# Altium PCB 190816 Diff Pressure Sensors.PcbDoc
Units mil, origin at the board's own origin, x right, y up, seen from the top; angles counter-clockwise.
Board outline 4842.52 x 3750 mil, 4 copper layers (Top Layer, GND, PWR, Bottom Layer), stack 23.756 mil thick; 73 components, 48 nets, 367 pads, 163 vias.
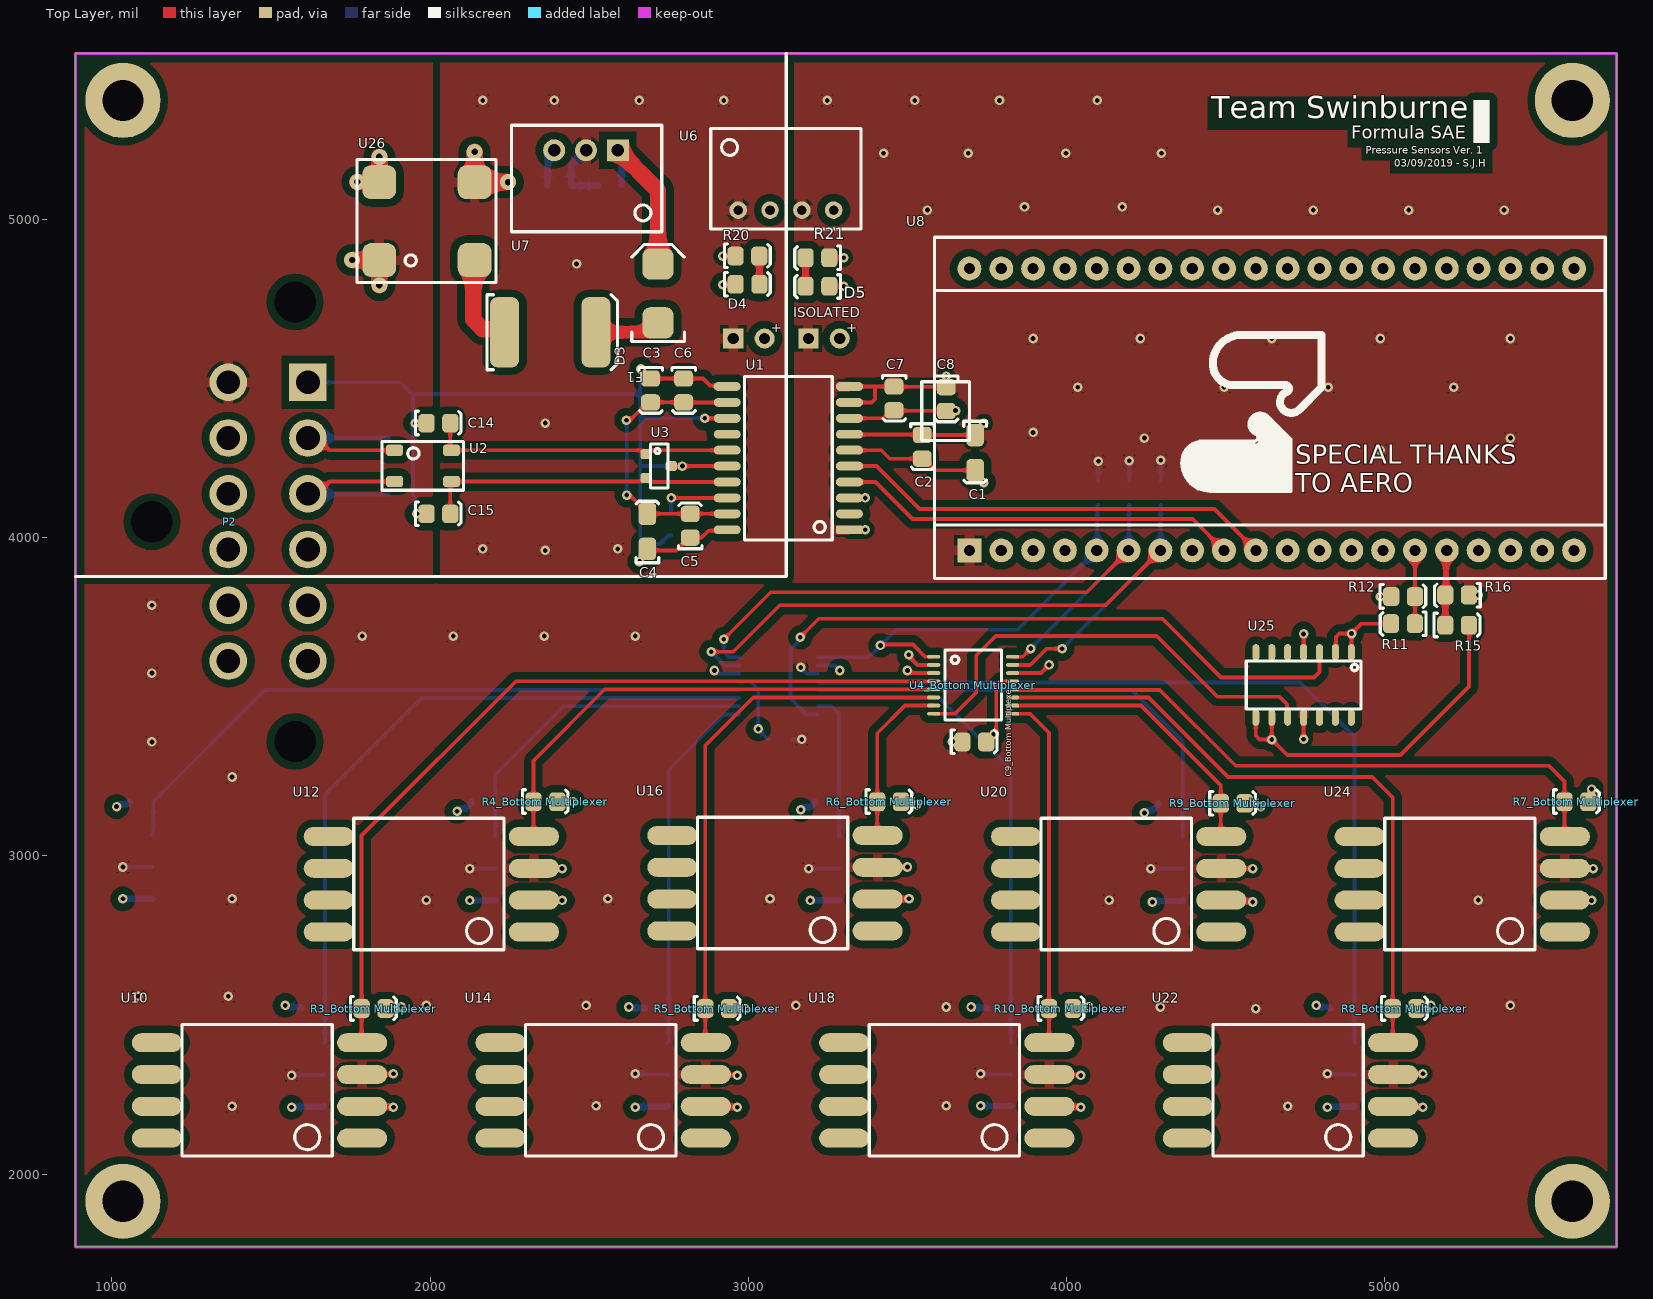
[diagram p0: Top Layer view]
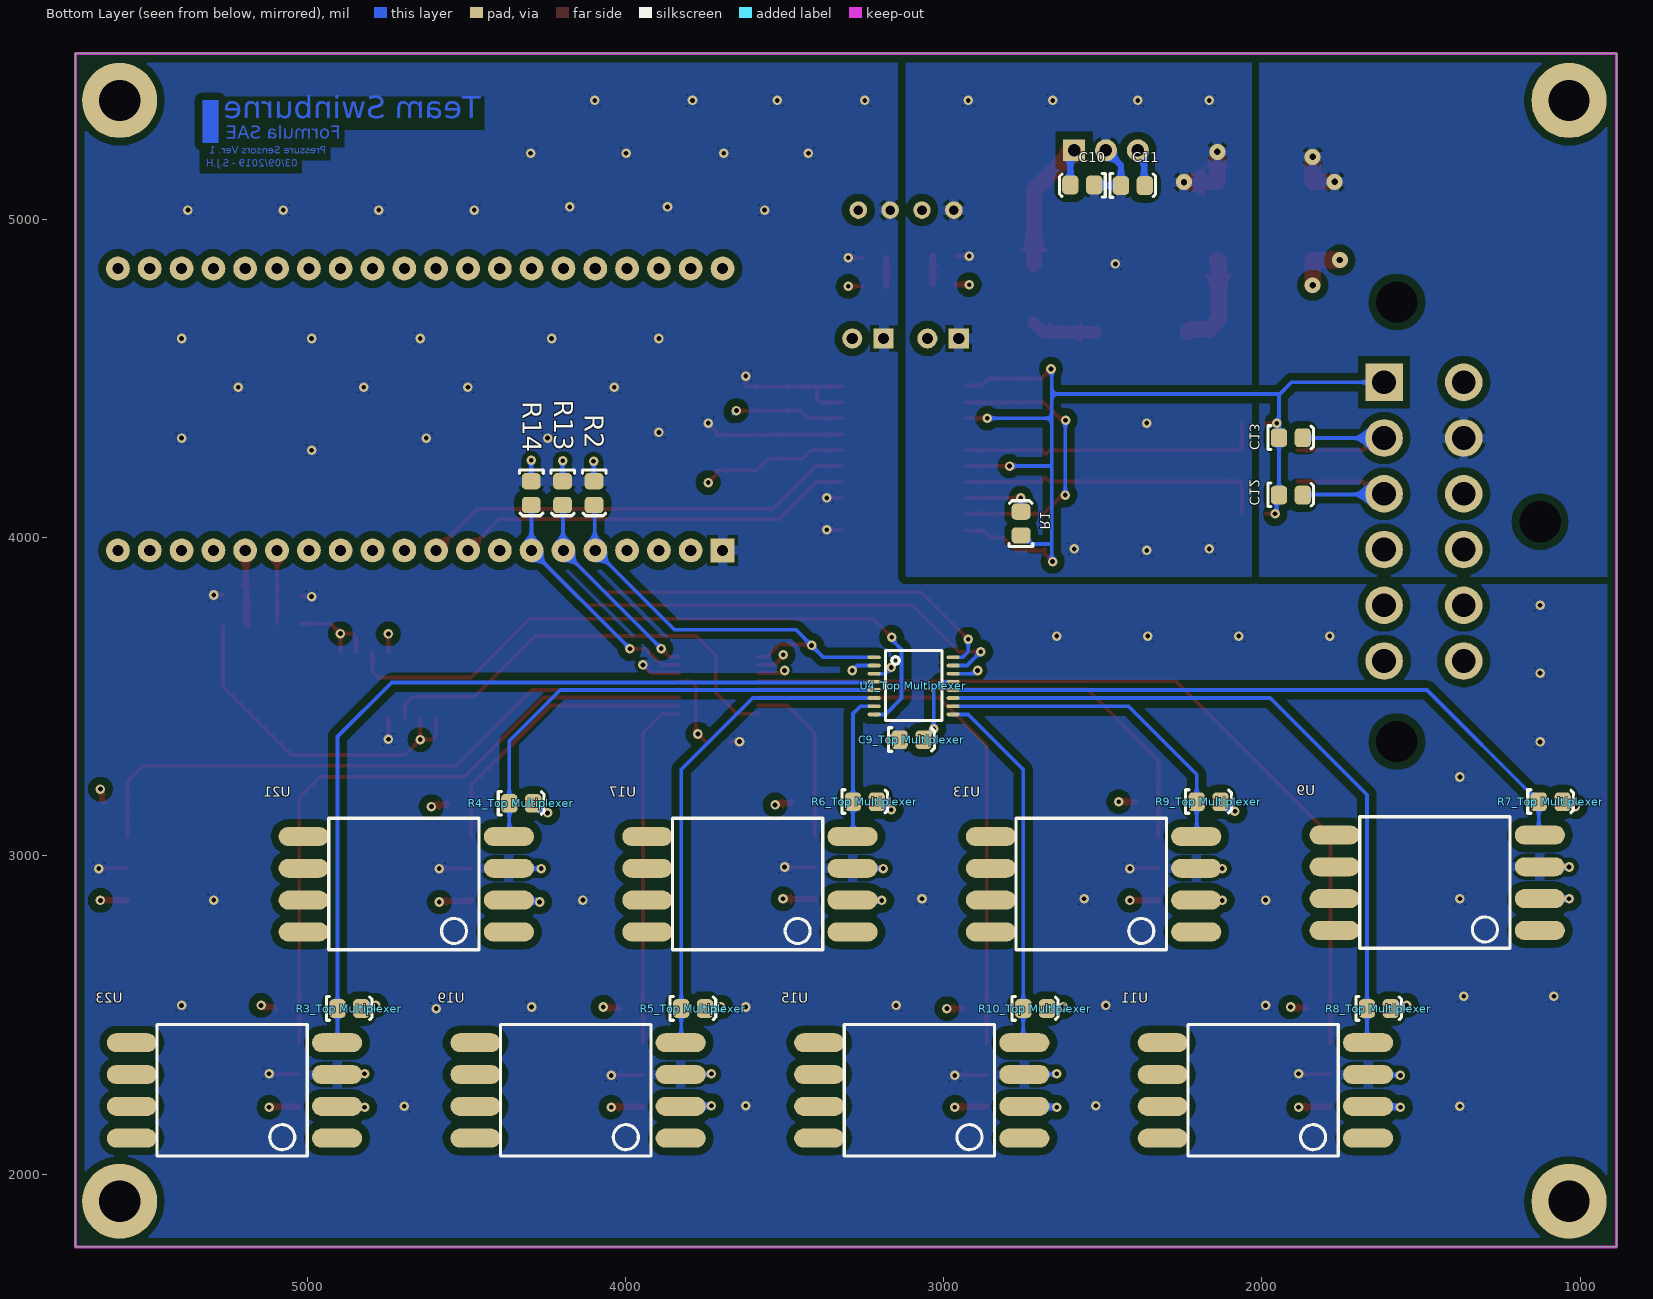
[diagram p1: Bottom Layer view, seen from below]
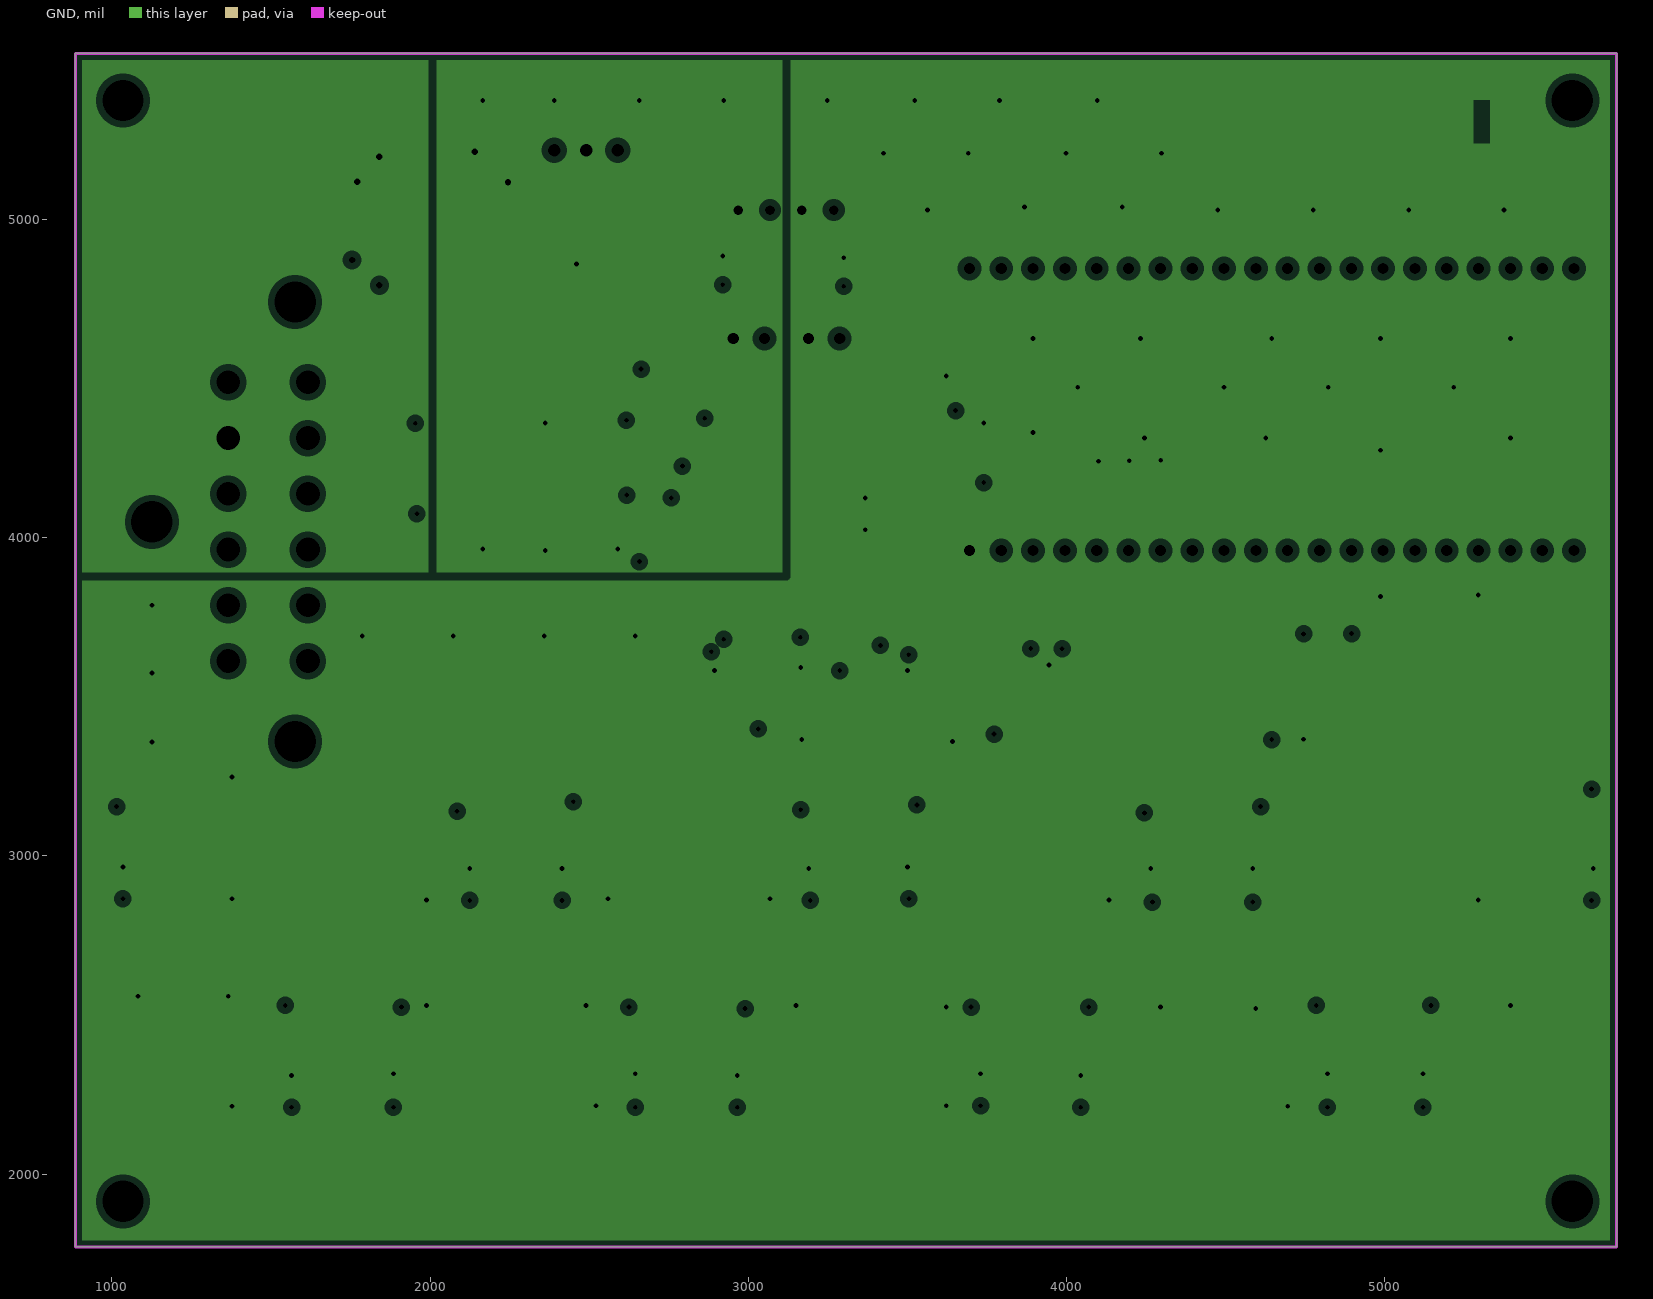
[diagram p2: GND, clearances drawn from the general rule]
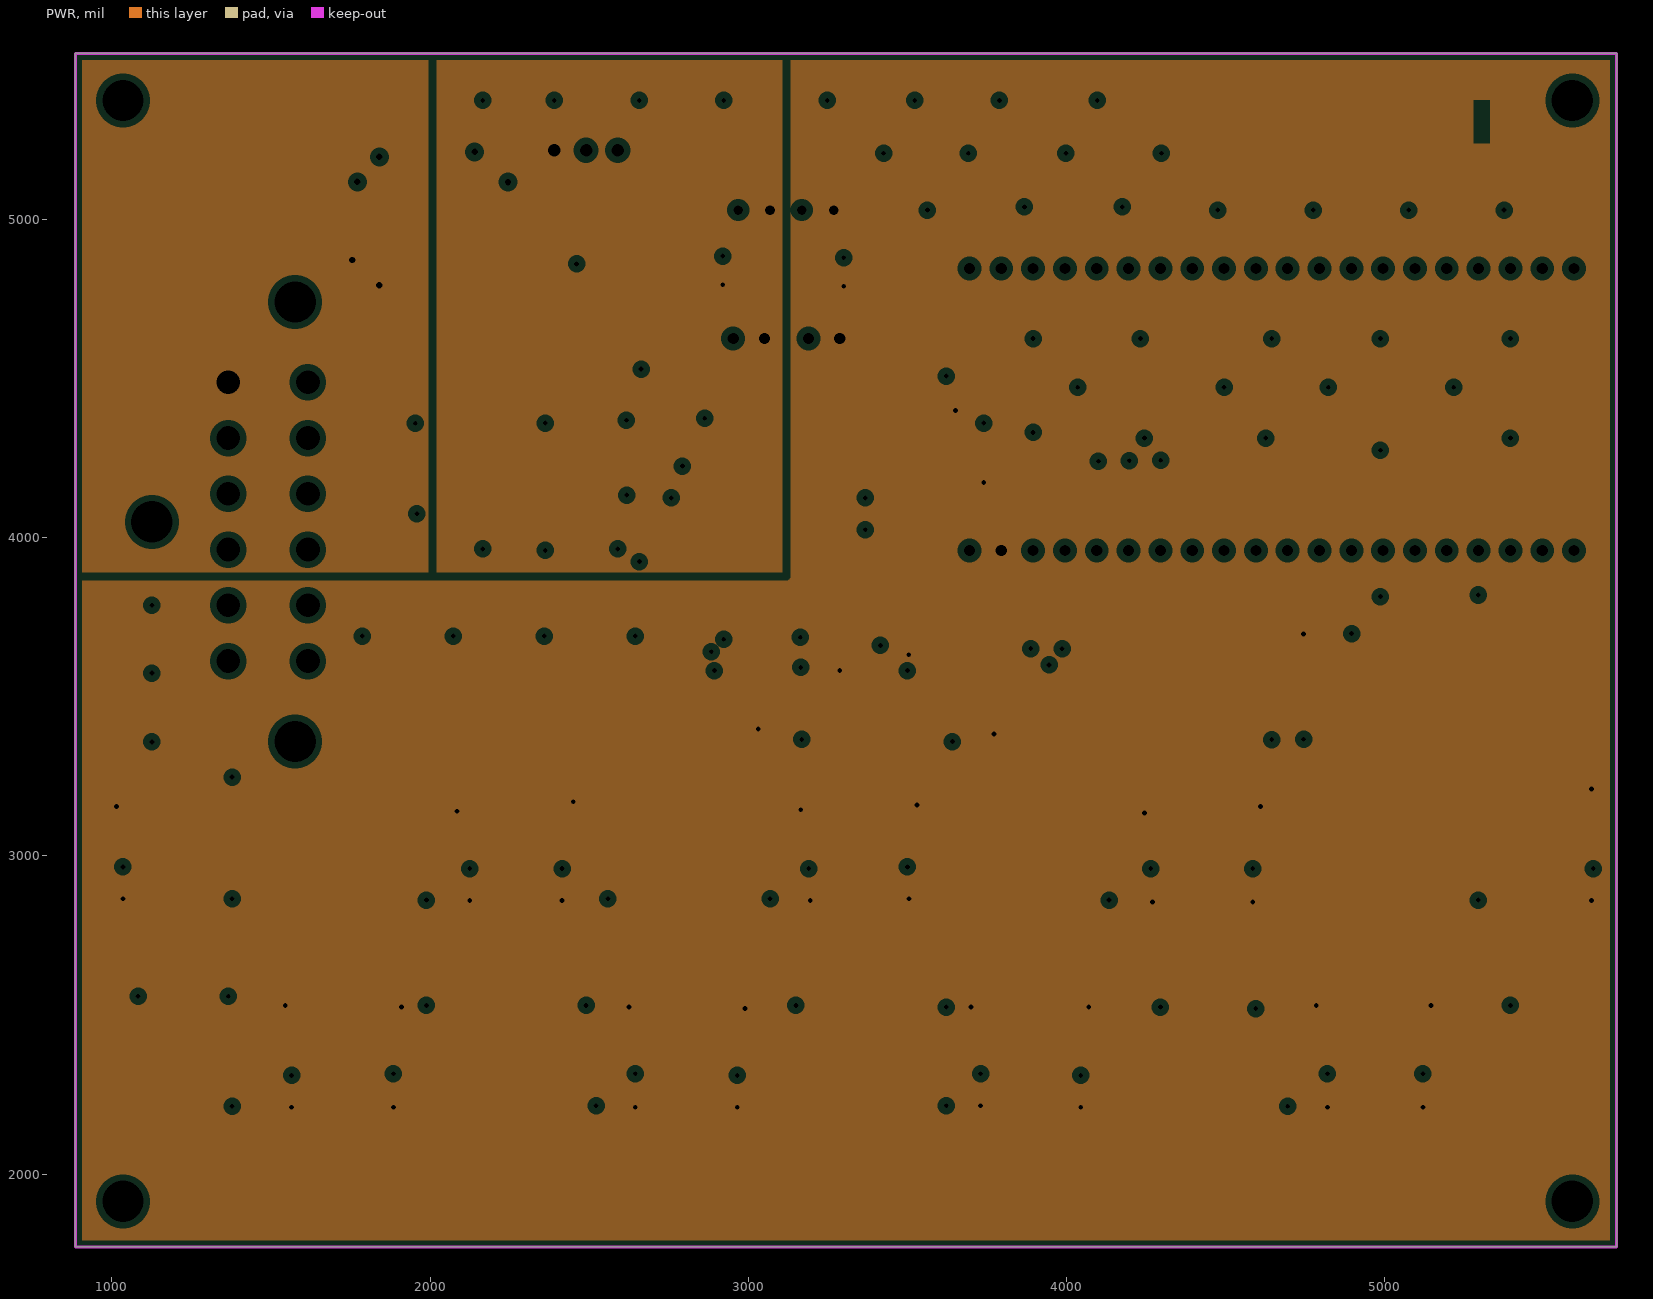
[diagram p3: PWR, clearances drawn from the general rule]

## Layer stack, top to bottom
Top Solder: solder mask 0.4, Solder Resist, Dk 3.5
Top Layer: signal copper 1.4
Dielectric 2: prepreg 2.8, PP-006, Dk 4.1
GND: plane copper 1.3778, net 0V (ISO)
Dielectric 1: dielectric 12.6, FR-4, Dk 4.8
PWR: plane copper 1.3778, net 5V (ISO)
Dielectric 3: prepreg 2.8, PP-006, Dk 4.1
Bottom Layer: signal copper 1.4
Bottom Solder: solder mask 0.4, Solder Resist, Dk 3.5

## Board outline
885.83,1771.65 885.83,5521.65 5728.35,5521.65 5728.35,1771.65

## Design rules (kind name [scope] priority, off if disabled: settings)
Clearance [All] p1: gap=11.81 ignorepadtopadclearanceinfootprint=FALSE except(0: Arc-Hole Track-Hole SMDPad-Hole THPad-Hole Via-Hole Fill-Hole Poly-Hole Region-Hole Text-Hole; 23.62: Arc-Poly Track-Poly SMDPad-Poly THPad-Poly Via-Poly Fill-Poly Poly-Poly)
Height [All] p1: minheight=0 maxheight=1968.5 prefheight=500
PlaneClearance [All] p1: clearance=20
PlaneConnect [All] p1: planeconnectstyle=Relief reliefexpansion=20 reliefentries=4 reliefconductorwidth=31.5 reliefairgap=10
PolygonConnect [All] p1: connectstyle=Relief reliefconductorwidth=31.5 reliefentries=4 polygonreliefangle="90 Angle" airgapwidth=10
RoutingVias [All] p1: holewidth=19.68 width=39.37 viastyle="Through Hole" minholewidth=11.81 minwidth=11.81 maxholewidth=28 maxwidth=50
SolderMaskExpansion [All] p1: expansion=4
Width [All] p1: maxlimit=118.11 minlimit=11.81 preferedwidth=11.81 minimp=50.000000 maximp=50.000000 favimp=50.000000
27 further rules are at their usual default settings.

## Classes and differential pairs
component class "Op Amp": R11 R12 R15 R16 U25
channel class "Multiplexer Bank": "Bottom Multiplexer" "Top Multiplexer"
component class U_Power: C10 C11 D3 D4 D5 F1 P1 R20 R21 U6 U7 U26
component class "Top Multiplexer": "C9_Top Multiplexer" "C9_U_Multiplexer Bank2" "R3_Top Multiplexer" "R4_Top Multiplexer" "R5_Top Multiplexer" "R6_Top Multiplexer" "R7_Top Multiplexer" "R8_Top Multiplexer" "R9_Top Multiplexer" "R10_Top Multiplexer" "U4_Top Multiplexer" "U4_U_Multiplexer Bank2"
component class "Bottom Multiplexer": "C9_Bottom Multiplexer" "C9_U_Multiplexer Bank1" "R3_Bottom Multiplexer" "R4_Bottom Multiplexer" "R5_Bottom Multiplexer" "R6_Bottom Multiplexer" "R7_Bottom Multiplexer" "R8_Bottom Multiplexer" "R9_Bottom Multiplexer" "R10_Bottom Multiplexer" "U4_Bottom Multiplexer" "U4_U_Multiplexer Bank1"
component class U_CAN: C1 C2 C3 C4 C5 C6 C7 C8 C12 C13 C14 C15 R1 U1 U2 U3
component class TopLevel: P2 R2 R13 R14 U8 U9 U10 U11 U12 U13 U14 U15 U16 U17 U18 U19 U20 U21 U22 U23 U24

## Components (designator, comment, footprint, x,y, rotation, side; value= is the part's Value field where it differs from the comment)
C1 "10nF" 1206 3712.91,4220.12 r270 top
C2 "100nF" 0805 3547.91,4285.12 r270 top
C3 "100nF" 0805 2693.94,4462.25 r270 top
C4 "10nF" 1206 2682.91,4067.24 r90 top
C5 "10uF" 0805 2816.88,4038.19 r90 top
C6 "100nF" 0805 2797.91,4462.25 r270 top
C7 "10uF" 0805 3458.94,4437.25 r270 top
C8 "100nF" 0805 3622.91,4435.12 r270 top
"C9_Bottom Multiplexer" "100nF" 0805 3710.63,3359.45 r0 top (schematic designator C9)
"C9_Top Multiplexer" "100nF" 0805 3100.39,3366.14 r180 bottom (schematic designator C9)
C10 "10uF" 0805 2565.16,5107.48 r0 bottom
C11 "22uF" 0805 2405.16,5107.48 r180 bottom
C12 "100pF" 0805 1908.58,4135 r180 bottom
C13 "100pF" 0805 1908.58,4315 r180 bottom
C14 "100pF" 0805 2026.65,4361.03 r0 top
C15 "100pF" 0805 2026.65,4076.03 r0 top
D3 "SD560BTR" "SMB Diode" 2716.54,4685.04 r90 top
D4 "LED" "0805 LED" 2998.03,4797.24 r0 top
D5 "LED" "0805 LED" 3216.93,4788.97 r180 top
F1 "0ZCF0200AF2C" 2920 2234.25,4645.67 r0 top
P2 "DT13-12P" DT13-12P 1366.16,4488.39 r270 top
R1 "0R" 0805 2757.91,4045.12 r90 bottom
R2 "10k" 0805 4097.87,4139.76 r270 bottom
"R3_Bottom Multiplexer" "10k" 0805 1822.87,2521.31 r0 top (schematic designator R3)
"R3_Top Multiplexer" "10k" 0805 4867.13,2521.31 r180 bottom (schematic designator R3)
"R4_Bottom Multiplexer" "10k" 0805 2362.87,3171.31 r0 top (schematic designator R4)
"R4_Top Multiplexer" "10k" 0805 4327.13,3166.31 r180 bottom (schematic designator R4)
"R5_Bottom Multiplexer" "10k" 0805 2902.87,2521.31 r0 top (schematic designator R5)
"R5_Top Multiplexer" "10k" 0805 3787.13,2521.31 r180 bottom (schematic designator R5)
"R6_Bottom Multiplexer" "10k" 0805 3442.87,3171.31 r0 top (schematic designator R6)
"R6_Top Multiplexer" "10k" 0805 3247.13,3171.31 r180 bottom (schematic designator R6)
"R7_Bottom Multiplexer" "10k" 0805 5602.87,3171.31 r0 top (schematic designator R7)
"R7_Top Multiplexer" "10k" 0805 1092.13,3171.31 r180 bottom (schematic designator R7)
"R8_Bottom Multiplexer" "10k" 0805 5062.87,2521.31 r0 top (schematic designator R8)
"R8_Top Multiplexer" "10k" 0805 1632.13,2521.31 r180 bottom (schematic designator R8)
"R9_Bottom Multiplexer" "10k" 0805 4522.87,3166.31 r0 top (schematic designator R9)
"R9_Top Multiplexer" "10k" 0805 2167.13,3171.31 r180 bottom (schematic designator R9)
"R10_Bottom Multiplexer" "10k" 0805 3983.07,2521.31 r0 top (schematic designator R10)
"R10_Top Multiplexer" "10k" 0805 2712.13,2521.31 r180 bottom (schematic designator R10)
R11 "430R" 0805 5056.93,3728.97 r180 top
R12 "2k" 0805 5058.07,3816.03 r0 top
R13 "10k" 0805 4196.85,4139.76 r270 bottom
R14 "10k" 0805 4295.28,4139.76 r270 bottom
R15 "430R" 0805 5228.07,3726.03 r0 top
R16 "2k" 0805 5227.13,3818.97 r180 top
R20 "1.5k" 0805 2997.87,4886.03 r0 top
R21 "1.5k" 0805 3216.93,4878.97 r180 top
U1 "ADM3053" "AD SOIC-W 20" 3125.89,4250.12 r90 top
U2 "B82787C0104H002" "TDK 4-PC Pad" 1888.58,4275 r0 top
U3 "NUP2105L" "ON SOT-23" 2718.54,4225.12 r270 top
"U4_Bottom Multiplexer" "ADG709" "AD 16-TSSOP" 3578.74,3627.95 r270 top (schematic designator U4)
"U4_Top Multiplexer" "ADG709" "AD 16-TSSOP" 3222.44,3625.98 r270 bottom (schematic designator U4)
U6 "RI-0505S" "RECOM 4-SIP" 3118.31,5029.53 r0 top
U7 "R-78C5.0-1.0" "RECOM 3-SIP" 2590.16,5217.48 r180 top
U8 "LPC1768 MBED" "LPC1768 MBED" 3695,3960 r90 top
U9 "MPXV7002DP" "NXP 8-SOP" 1535.43,2926.54 r90 bottom
U10 "MPXV7002DP" "NXP 8-SOP" 1377.95,2273.78 r90 top
U11 "MPXV7002DP" "NXP 8-SOP" 2075.37,2273.78 r90 bottom
U12 "MPXV7002DP" "NXP 8-SOP" 1917.89,2921.81 r90 top
U13 "MPXV7002DP" "NXP 8-SOP" 2615.3,2921.81 r90 bottom
U14 "MPXV7002DP" "NXP 8-SOP" 2457.82,2273.78 r90 top
U15 "MPXV7002DP" "NXP 8-SOP" 3155.23,2273.78 r90 bottom
U16 "MPXV7002DP" "NXP 8-SOP" 2997.75,2924.96 r90 top
U17 "MPXV7002DP" "NXP 8-SOP" 3695.16,2921.81 r90 bottom
U18 "MPXV7002DP" "NXP 8-SOP" 3537.68,2273.78 r90 top
U19 "MPXV7002DP" "NXP 8-SOP" 4235.1,2273.78 r90 bottom
U20 "MPXV7002DP" "NXP 8-SOP" 4077.61,2921.81 r90 top
U21 "MPXV7002DP" "NXP 8-SOP" 4775.03,2921.81 r90 bottom
U22 "MPXV7002DP" "NXP 8-SOP" 4617.55,2273.78 r90 top
U23 "MPXV7002DP" "NXP 8-SOP" 5314.96,2273.78 r90 bottom
U24 "MPXV7002DP" "NXP 8-SOP" 5157.48,2921.81 r90 top
U25 "LM324D" "TI 14-SOIC" 4145,3742.13 r180 top
U26 "744272121" "Wurth 4-PC Pad" 2140.16,5117.36 r180 top

## Footprints (in the part's own frame and the unit in brackets; to place one, negate y for a bottom-side part, rotate by r counter-clockwise, add the part's x,y. Pads: shape width x height; smd on the part's side, far side on the other; paste and mask are expansions set on the pad)
0805 [mil]
  rrect50% 51.18x59.06 smd: 1(-37.87,-1.03) 2(36.93,-1.03)
  silkscreen extent -73,-37 71,37, body extent -39,-26 39,26, height 29
"0805 LED" [mil]
  rrect50% 51.18x59.06 smd: A(-37.87,-1.03) K(36.93,-1.03)
  silkscreen extent -73,-37 71,37, body extent -43,-25 35,25, height 39
1206 [mm]
  rrect50% 1.8x1.4 smd: 1(-2.6,0) 2(0.2,0)
  silkscreen extent -3.7,-0.9 1.2,0.9, body extent -2.9,-0.9 0.5,0.9, height 1.85
2920 [mm]
  rrect50% 2.3x5.6 smd: 1(0,0) 2(7.3,0)
  silkscreen extent -1.4,-3 9,3, body extent -0.34,-2.81 7.64,2.81, height 1.14
"AD 16-TSSOP" [mm]
  oval 0.3x1.05 smd: 1(0.05,0.1) 2(0.7,0.1) 3(1.35,0.1) 4(2,0.1) 5(2.65,0.1) 6(3.3,0.1) 7(3.95,0.1) 8(4.6,0.1) 9(4.6,6.4) 10(3.95,6.4) 11(3.3,6.4) 12(2.65,6.4) 13(2,6.4) 14(1.35,6.4) 15(0.7,6.4) 16(0.05,6.4)
  silkscreen extent -0.5,1 5.1,5.5, body extent -0.24,0.05 4.86,6.45, height 1.2
"AD SOIC-W 20" [mil]
  rrect50% 28x85 smd: 1(-225,-192.02)
  oval 28x85 smd: 2(-175,-192.02) 3(-125,-192.02) 4(-75,-192.02) 5(-25,-192.02) 6(25,-192.02) 7(75,-192.02) 8(125,-192.02) 9(175,-192.02) 10(225,-192.02) 11(225,192.02) 12(175,191.98) 13(125,191.98) 14(75,191.98) 15(25,191.98) 16(-25,191.98) 17(-75,191.98) 18(-125,191.98) 19(-175,191.98) 20(-225,191.98)
  silkscreen extent -257,-138 256,138, body extent -260,-210 260,210, height 105
DT13-12P [mm]
  round 3 hole 3.3 unplated: 0(-6.405,5.33) 0(11.135,-6.1) 0(28.675,5.33)
  rect 3x3 hole 1.9: 1(0,6.35)
  round 3 hole 1.9: 2(4.45,6.35) 3(8.9,6.35) 4(13.35,6.35) 5(17.8,6.35) 6(22.25,6.35) 7(22.25,0) 8(17.8,0) 9(13.35,0) 10(8.9,0) 11(4.45,0) 12(0,0)
  body extent -18.6,-34.7 40.6,9.5, height 37.63
"LPC1768 MBED" [mm] "MBED M3 (40 pin dip package)"
  rect 1.9x1.9 hole 0.889: 1(0,0)
  round 1.9 hole 0.889: 2(0,-2.54) 3(0,-5.08) 4(0,-7.62) 5(0,-10.16) 6(0,-12.7) 7(0,-15.24) 8(0,-17.78) 9(0,-20.32) 10(0,-22.86) 11(0,-25.4) 12(0,-27.94) 13(0,-30.48) 14(0,-33.02) 15(0,-35.56) 16(0,-38.1) 17(0,-40.64) 18(0,-43.18) 19(0,-45.72) 20(0,-48.26) 21(22.5,-48.26) 22(22.5,-45.72) 23(22.5,-43.18) 24(22.5,-40.64) 25(22.5,-38.1) 26(22.5,-35.56) 27(22.5,-33.02) 28(22.5,-30.48) 29(22.5,-27.94) 30(22.5,-25.4) 31(22.5,-22.86) 32(22.5,-20.32) 33(22.5,-17.78) 34(22.5,-15.24) 35(22.5,-12.7) 36(22.5,-10.16) 37(22.5,-7.62) 38(22.5,-5.08) 39(22.5,-2.54) 40(22.5,0)
  silkscreen extent -2.25,-50.75 25,3.81, body extent -2.25,-50.75 25,5.28, height 16.84
"NXP 8-SOP" [mm]
  oval 1.52x4 smd: 1(-4.08,-10.38) 2(-1.54,-10.38) 3(1,-10.38) 4(3.54,-10.38) 5(3.54,6) 6(1,6) 7(-1.54,6) 8(-4.08,6)
  silkscreen extent -5.5,-8 5,4, body extent -12.97,-10.89 5.95,6.89, height 10.15
"ON SOT-23" [mm] "NUP2105L"
  rrect50% 0.8x0.9 smd: 1(-0.95,-1) 2(0.95,-1) 3(0,1)
  silkscreen extent -1.75,-0.65 1.75,0.75, body extent -1.5,-1.27 1.5,1.28, height 1
"RECOM 3-SIP" [mm] "12 to 42 Vdc In, 9 Vdc Out"
  rect 1.75x1.75 hole 1: 1(0,0)
  round 1.75 hole 1: 2(2.54,0) 3(5.08,0)
  silkscreen extent -3.5,-2 8.5,6.5, body extent -3.26,-2.02 8.34,6.48, height 11.41
"RECOM 4-SIP" [mil]
  round 55 hole 30: 1(-150,0) 2(-50,0) 3(50,0) 4(150,0)
  silkscreen extent -236,-59 236,256, body extent -225,-51 227,249, height 122
"SMB Diode" [mm]
  rrect50% 2.5x2.5 smd: A(-0.25,0) K(4.45,0)
  silkscreen extent -1.75,-2.1 6,2.1, body extent -0.69,-1.97 4.9,1.97, height 2.5
"TDK 4-PC Pad" [mm]
  rrect50% 1.35x0.9 smd: 1(0,0) 2(0,-2.5) 3(4.55,-2.5) 4(4.55,0)
  silkscreen extent -1,-3.2 5.5,0.7, body extent -0.02,-2.82 4.48,0.38, height 2.8
"TI 14-SOIC" [mil]
  oval 22x52 smd: 1(-750,102.36) 2(-700,102.36) 3(-650,102.36) 4(-600,102.36) 5(-550,102.36) 6(-500,102.36) 7(-450,102.36) 8(-450,307.09) 9(-500,307.09) 10(-550,307.09) 11(-600,307.09) 12(-650,307.09) 13(-700,307.09) 14(-750,307.09)
  silkscreen extent -780,130 -420,280, body extent -770,86 -430,323, height 69
"Wurth 4-PC Pad" [mm]
  rrect50% 2.7x2.7 smd: 1(7.62,6.22) 2(0,6.22) 3(0,0) 4(7.62,0)
  silkscreen extent -1.7,-1.8 9.4,8, body extent -1.19,-1.24 8.81,7.46, height 6.2
